# KiCad board rosco_m68k_keyboard-2.kicad_pcb
title: rosco_m68k Project Box (keyboard); date: 2024-03-09; rev: 2.10; company: The Really Old-School Company Limited; note: Copyright 2023 The Really Old-School Company Limited; note: Closed Source; Not For Release; note: Design: roscopeco
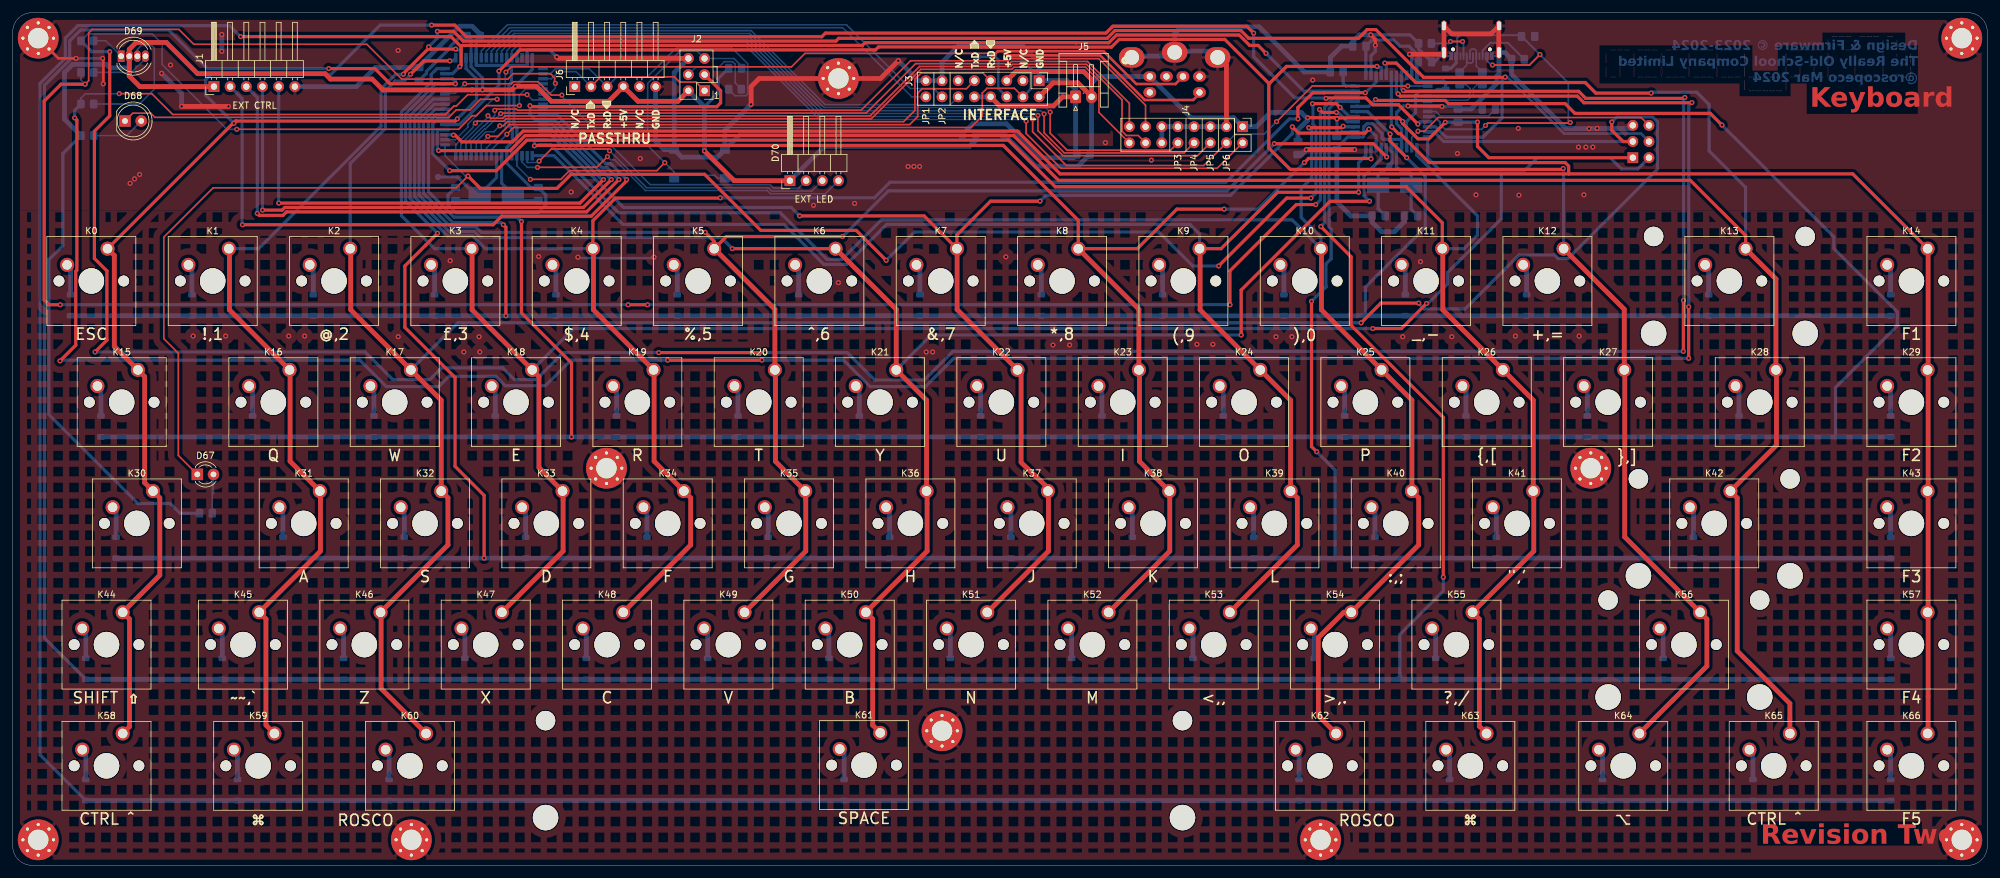
[diagram p0: board, top side]
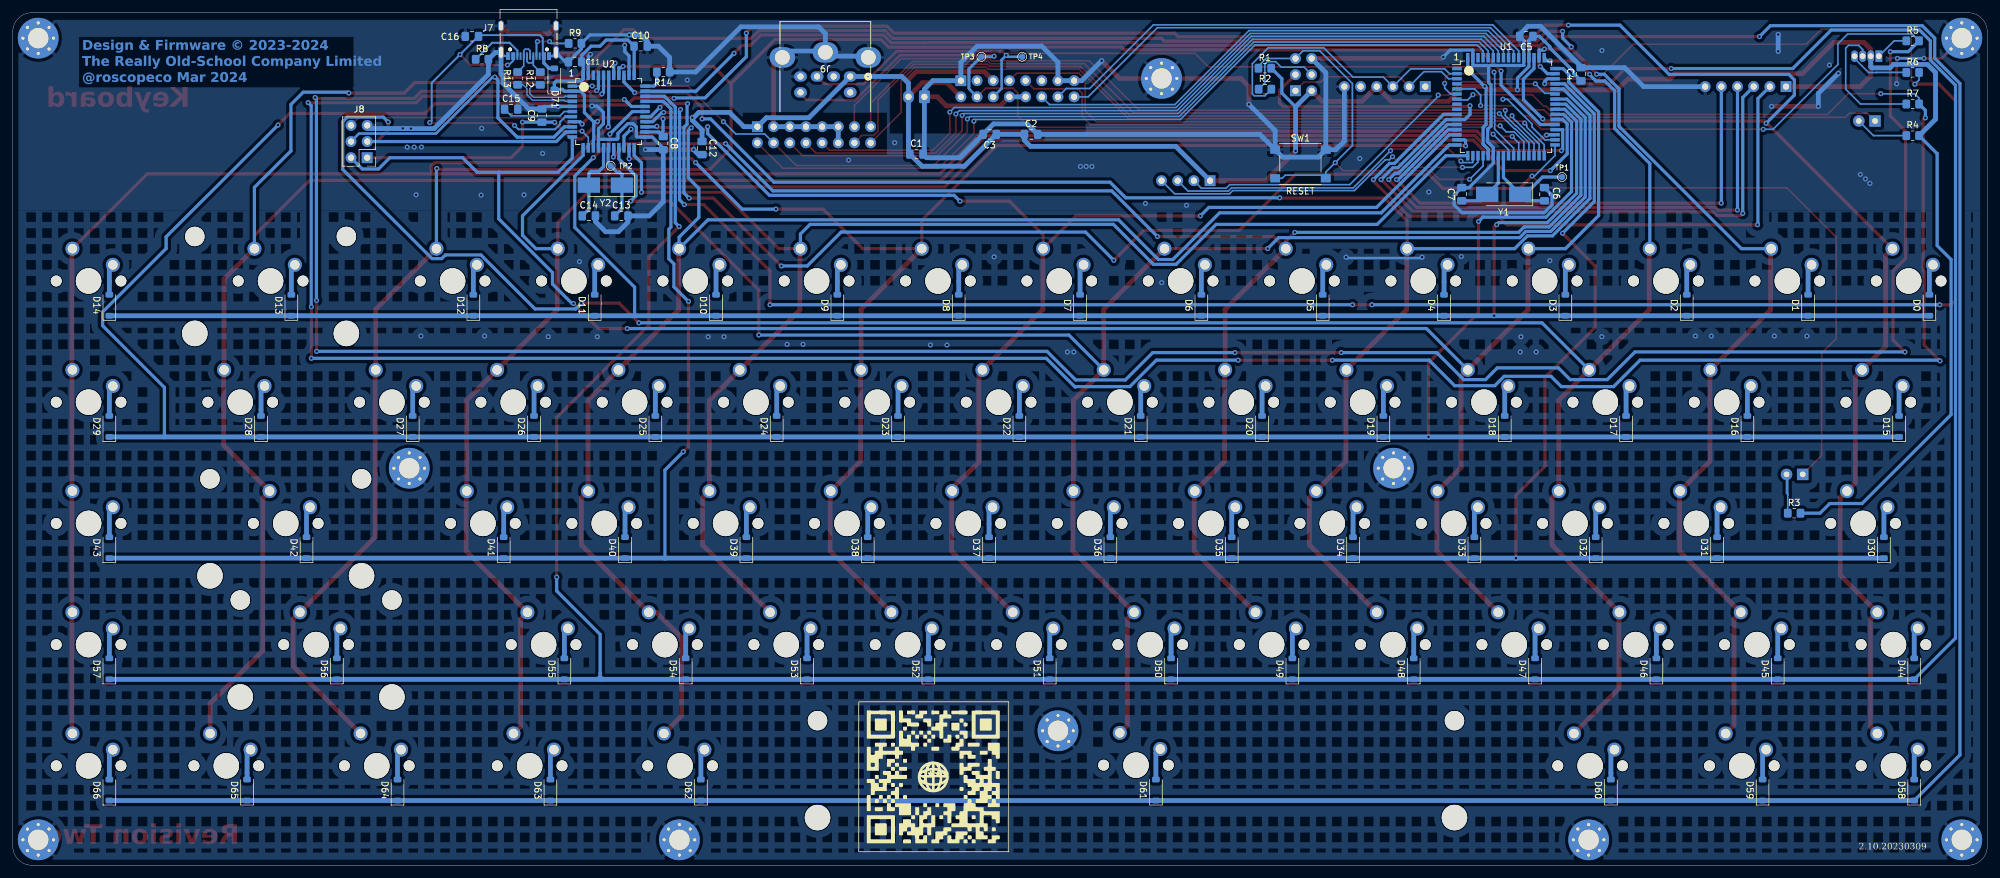
[diagram p1: board, bottom side, seen from below]

Outline 310 x 134 mm; copper layers: Top, Bottom. Coordinates in mm from the lower left corner of the outline.
Outline path: 0,131 arc(0.88,133.12) 3,134 307,134 arc(309.12,133.12) 310,131 310,3 arc(309.12,0.88) 307,0 3,0 arc(0.88,0.88) 0,3 0,131

## Placement (name value [footprint] x y rotation side)
C1  0.1u  [C_0805_2012Metric_Pad1.18x1.45mm_HandSolder]  168.12 111.78 180 bottom
C2  0.1u  [C_0805_2012Metric_Pad1.18x1.45mm_HandSolder]  150.12 114.88 180 bottom
C3  0.1u  [C_0805_2012Metric_Pad1.18x1.45mm_HandSolder]  156.62 114.88 0 bottom
C4  0.1u  [C_0805_2012Metric_Pad1.18x1.45mm_HandSolder]  63.78 124.34 90 bottom
C5  4.7u  [C_0805_2012Metric_Pad1.18x1.45mm_HandSolder]  72.38 130.29 0 bottom
C6  22p  [C_0805_2012Metric_Pad1.18x1.45mm_HandSolder]  69.51 105.48 90 bottom
C7  22p  [C_0805_2012Metric_Pad1.18x1.45mm_HandSolder]  82.51 105.48 90 bottom
C8  0.1u  [C_0805_2012Metric_Pad1.18x1.45mm_HandSolder]  207.87 113.5 270 bottom
C9  0.1u  [C_0805_2012Metric_Pad1.18x1.45mm_HandSolder]  226.92 117.84 90 bottom
C10  0.1u  [C_0805_2012Metric_Pad1.18x1.45mm_HandSolder]  211.43 128.74 180 bottom
C11  0.1u  [C_0805_2012Metric_Pad1.18x1.45mm_HandSolder]  221.72 126.28 0 bottom
C12  4.7u  [C_0805_2012Metric_Pad1.18x1.45mm_HandSolder]  201.77 112.74 270 bottom
C13  22p  [C_0805_2012Metric_Pad1.18x1.45mm_HandSolder]  214.45 102.07 180 bottom
C14  22p  [C_0805_2012Metric_Pad1.18x1.45mm_HandSolder]  219.55 102.07 180 bottom
C15  1u  [C_0805_2012Metric_Pad1.18x1.45mm_HandSolder]  231.75 118.83 180 bottom
C16  10u  [C_0805_2012Metric_Pad1.18x1.45mm_HandSolder]  237.91 130.28 0 bottom
D0  1N4148W  [D_SOD-123]  9.08 88.02 90 bottom
D1  1N4148W  [D_SOD-123]  28.13 88.02 90 bottom
D2  1N4148W  [D_SOD-123]  47.18 88.02 90 bottom
D3  1N4148W  [D_SOD-123]  66.23 88.02 90 bottom
D4  1N4148W  [D_SOD-123]  85.28 88.02 90 bottom
D5  1N4148W  [D_SOD-123]  104.33 88.02 90 bottom
D6  1N4148W  [D_SOD-123]  123.38 88.02 90 bottom
D7  1N4148W  [D_SOD-123]  142.43 88.02 90 bottom
D8  1N4148W  [D_SOD-123]  161.48 88.02 90 bottom
D9  1N4148W  [D_SOD-123]  180.53 88.02 90 bottom
D10  1N4148W  [D_SOD-123]  199.58 88.02 90 bottom
D11  1N4148W  [D_SOD-123]  218.63 88.02 90 bottom
D12  1N4148W  [D_SOD-123]  237.68 88.02 90 bottom
D13  1N4148W  [D_SOD-123]  266.26 88.02 90 bottom
D14  1N4148W  [D_SOD-123]  294.83 88.02 90 bottom
D15  1N4148W  [D_SOD-123]  13.85 68.97 90 bottom
D16  1N4148W  [D_SOD-123]  37.66 68.97 90 bottom
D17  1N4148W  [D_SOD-123]  56.71 68.97 90 bottom
D18  1N4148W  [D_SOD-123]  75.76 68.97 90 bottom
D19  1N4148W  [D_SOD-123]  94.81 68.97 90 bottom
D20  1N4148W  [D_SOD-123]  113.86 68.97 90 bottom
D21  1N4148W  [D_SOD-123]  132.91 68.97 90 bottom
D22  1N4148W  [D_SOD-123]  151.96 68.97 90 bottom
D23  1N4148W  [D_SOD-123]  171.01 68.97 90 bottom
D24  1N4148W  [D_SOD-123]  190.06 68.97 90 bottom
D25  1N4148W  [D_SOD-123]  209.11 68.97 90 bottom
D26  1N4148W  [D_SOD-123]  228.16 68.97 90 bottom
D27  1N4148W  [D_SOD-123]  247.21 68.97 90 bottom
D28  1N4148W  [D_SOD-123]  271.02 68.97 90 bottom
D29  1N4148W  [D_SOD-123]  294.83 68.97 90 bottom
D30  1N4148W  [D_SOD-123]  16.23 49.92 90 bottom
D31  1N4148W  [D_SOD-123]  42.42 49.92 90 bottom
D32  1N4148W  [D_SOD-123]  61.47 49.92 90 bottom
D33  1N4148W  [D_SOD-123]  80.52 49.92 90 bottom
D34  1N4148W  [D_SOD-123]  99.57 49.92 90 bottom
D35  1N4148W  [D_SOD-123]  118.62 49.92 90 bottom
D36  1N4148W  [D_SOD-123]  137.67 49.92 90 bottom
D37  1N4148W  [D_SOD-123]  156.72 49.92 90 bottom
D38  1N4148W  [D_SOD-123]  175.77 49.92 90 bottom
D39  1N4148W  [D_SOD-123]  194.82 49.92 90 bottom
D40  1N4148W  [D_SOD-123]  213.87 49.92 90 bottom
D41  1N4148W  [D_SOD-123]  232.92 49.92 90 bottom
D42  1N4148W  [D_SOD-123]  263.88 49.92 90 bottom
D43  1N4148W  [D_SOD-123]  294.83 49.92 90 bottom
D44  1N4148W  [D_SOD-123]  11.46 30.87 90 bottom
D45  1N4148W  [D_SOD-123]  32.9 30.87 90 bottom
D46  1N4148W  [D_SOD-123]  51.95 30.87 90 bottom
D47  1N4148W  [D_SOD-123]  71 30.87 90 bottom
D48  1N4148W  [D_SOD-123]  90.05 30.87 90 bottom
D49  1N4148W  [D_SOD-123]  109.1 30.87 90 bottom
D50  1N4148W  [D_SOD-123]  128.15 30.87 90 bottom
D51  1N4148W  [D_SOD-123]  147.2 30.87 90 bottom
D52  1N4148W  [D_SOD-123]  166.25 30.87 90 bottom
D53  1N4148W  [D_SOD-123]  185.3 30.87 90 bottom
D54  1N4148W  [D_SOD-123]  204.35 30.87 90 bottom
D55  1N4148W  [D_SOD-123]  223.4 30.87 90 bottom
D56  1N4148W  [D_SOD-123]  259.11 30.87 90 bottom
D57  1N4148W  [D_SOD-123]  294.83 30.87 90 bottom
D58  1N4148W  [D_SOD-123]  11.46 11.82 90 bottom
D59  1N4148W  [D_SOD-123]  35.28 11.82 90 bottom
D60  1N4148W  [D_SOD-123]  59.09 11.82 90 bottom
D61  1N4148W  [D_SOD-123]  130.53 11.82 90 bottom
D62  1N4148W  [D_SOD-123]  201.96 11.82 90 bottom
D63  1N4148W  [D_SOD-123]  225.59 11.82 90 bottom
D64  1N4148W  [D_SOD-123]  249.59 11.82 90 bottom
D65  1N4148W  [D_SOD-123]  273.21 11.82 90 bottom
D66  1N4148W  [D_SOD-123]  294.83 11.82 90 bottom
D67  CAPSLOCK  [LED_D3.0mm]  28.98 61.44 0 top
D68  DISK  [LED_D5.0mm]  17.62 116.99 0 top
D69  POWER  [LED_D5.0mm-4_RGB]  17.02 127.17 0 top
D70  EXT_LED  [PinHeader_1x04_P2.54mm_Horizontal]  122.02 107.6 90 top
D71  BAT760-7  [D_SOD-123]  224.97 123.6 90 bottom
G***  LOGO  [rosco-m68k.com-qr-code]  165.48 13.89 180 bottom
H1  MountingHole  [MountingHole_3.2mm_M3_Pad_Via]  4 130 0 top
H2  MountingHole  [MountingHole_3.2mm_M3_Pad_Via]  306 130 0 top
H3  MountingHole  [MountingHole_3.2mm_M3_Pad_Via]  306 4 0 top
H4  MountingHole  [MountingHole_3.2mm_M3_Pad_Via]  4 4 0 top
H5  MountingHole  [MountingHole_3.2mm_M3_Pad_Via]  129.64 123.67 0 top
H6  MountingHole  [MountingHole_3.2mm_M3_Pad_Via]  145.9 21.14 0 top
H7  MountingHole  [MountingHole_3.2mm_M3_Pad_Via]  62.59 4 0 top
H8  MountingHole  [MountingHole_3.2mm_M3_Pad_Via]  205.33 4 0 top
H9  MountingHole  [MountingHole_3.2mm_M3_Pad_Via]  247.75 62.41 0 top
H10  MountingHole  [MountingHole_3.2mm_M3_Pad_Via]  93.21 62.41 0 top
J1  Conn_01x04_Pin  [PinHeader_1x06_P2.54mm_Horizontal]  31.59 122.39 90 top
J2  Conn_02x03_Odd_Even  [PinHeader_2x03_P2.54mm_Vertical]  108.62 121.73 180 top
J3  Conn_02x08_Odd_Even  [PinHeader_2x08_P2.54mm_Vertical]  161.14 123.32 270 top
J4  Conn_02x08_Odd_Even  [PinHeader_2x08_P2.54mm_Vertical]  193.09 116.09 270 top
J5  Conn_02x02_Odd_Even  [JST_EH_S2B-EH_1x02_P2.50mm_Horizontal]  166.87 120.78 0 top
J6  Conn_01x04_Pin  [PinHeader_1x06_P2.54mm_Horizontal]  88.24 122.39 90 top
J7  USB_C  [USB_C_Receptacle_Palconn_UTC16-G]  229.02 129.69 0 bottom
J8  Conn_02x03_Odd_Even  [PinHeader_2x03_P2.54mm_Vertical]  254.35 111.21 0 bottom
J9  DIN-6  [KMDGX-6S-BS]  181.12 123.98 180 bottom
K0  ESC  [SW_Cherry_MX_1.00u_PCB]  14.88 96.91 0 top
K1  !,1  [SW_Cherry_MX_1.00u_PCB]  33.93 96.91 0 top
K2  @,2  [SW_Cherry_MX_1.00u_PCB]  52.98 96.91 0 top
K3  £,3  [SW_Cherry_MX_1.00u_PCB]  72.03 96.91 0 top
K4  $,4  [SW_Cherry_MX_1.00u_PCB]  91.08 96.91 0 top
K5  %,5  [SW_Cherry_MX_1.00u_PCB]  110.13 96.91 0 top
K6  ^,6  [SW_Cherry_MX_1.00u_PCB]  129.18 96.91 0 top
K7  &,7  [SW_Cherry_MX_1.00u_PCB]  148.23 96.91 0 top
K8  *,8  [SW_Cherry_MX_1.00u_PCB]  167.28 96.91 0 top
K9  (,9  [SW_Cherry_MX_1.00u_PCB]  186.33 96.91 0 top
K10  ),0  [SW_Cherry_MX_1.00u_PCB]  205.38 96.91 0 top
K11  _,-  [SW_Cherry_MX_1.00u_PCB]  224.43 96.91 0 top
K12  +,=  [SW_Cherry_MX_1.00u_PCB]  243.48 96.91 0 top
K13  BACKSPACE ⌫  [SW_Cherry_MX_2.00u_PCB]  272.06 96.91 0 top
K14  F1  [SW_Cherry_MX_1.00u_PCB]  300.63 96.91 0 top
K15  TAB ⇥  [SW_Cherry_MX_1.25u_PCB]  19.65 77.86 0 top
K16  Q  [SW_Cherry_MX_1.00u_PCB]  43.46 77.86 0 top
K17  W  [SW_Cherry_MX_1.00u_PCB]  62.51 77.86 0 top
K18  E  [SW_Cherry_MX_1.00u_PCB]  81.56 77.86 0 top
K19  R  [SW_Cherry_MX_1.00u_PCB]  100.61 77.86 0 top
K20  T  [SW_Cherry_MX_1.00u_PCB]  119.66 77.86 0 top
K21  Y  [SW_Cherry_MX_1.00u_PCB]  138.71 77.86 0 top
K22  U  [SW_Cherry_MX_1.00u_PCB]  157.76 77.86 0 top
K23  I  [SW_Cherry_MX_1.00u_PCB]  176.81 77.86 0 top
K24  O  [SW_Cherry_MX_1.00u_PCB]  195.86 77.86 0 top
K25  P  [SW_Cherry_MX_1.00u_PCB]  214.91 77.86 0 top
K26  {,[  [SW_Cherry_MX_1.00u_PCB]  233.96 77.86 0 top
K27  },]  [SW_Cherry_MX_1.00u_PCB]  253.01 77.86 0 top
K28  |,\  [SW_Cherry_MX_1.25u_PCB]  276.82 77.86 0 top
K29  F2  [SW_Cherry_MX_1.00u_PCB]  300.63 77.86 0 top
K30  CAPSLOCK  [SW_Cherry_MX_1.50u_PCB]  22.03 58.81 0 top
K31  A  [SW_Cherry_MX_1.00u_PCB]  48.22 58.81 0 top
K32  S  [SW_Cherry_MX_1.00u_PCB]  67.27 58.81 0 top
K33  D  [SW_Cherry_MX_1.00u_PCB]  86.32 58.81 0 top
K34  F  [SW_Cherry_MX_1.00u_PCB]  105.37 58.81 0 top
K35  G  [SW_Cherry_MX_1.00u_PCB]  124.42 58.81 0 top
K36  H  [SW_Cherry_MX_1.00u_PCB]  143.47 58.81 0 top
K37  J  [SW_Cherry_MX_1.00u_PCB]  162.52 58.81 0 top
K38  K  [SW_Cherry_MX_1.00u_PCB]  181.57 58.81 0 top
K39  L  [SW_Cherry_MX_1.00u_PCB]  200.62 58.81 0 top
K40  :,;  [SW_Cherry_MX_1.00u_PCB]  219.67 58.81 0 top
K41  ",'  [SW_Cherry_MX_1.00u_PCB]  238.72 58.81 0 top
K42  ⏎  [SW_Cherry_MX_2.25u_PCB]  269.68 58.81 0 top
K43  F3  [SW_Cherry_MX_1.00u_PCB]  300.63 58.81 0 top
K44  SHIFT ⇧  [SW_Cherry_MX_1.25u_PCB]  17.26 39.76 0 top
K45  ~~,`  [SW_Cherry_MX_1.00u_PCB]  38.7 39.76 0 top
K46  Z  [SW_Cherry_MX_1.00u_PCB]  57.75 39.76 0 top
K47  X  [SW_Cherry_MX_1.00u_PCB]  76.8 39.76 0 top
K48  C  [SW_Cherry_MX_1.00u_PCB]  95.85 39.76 0 top
K49  V  [SW_Cherry_MX_1.00u_PCB]  114.9 39.76 0 top
K50  B  [SW_Cherry_MX_1.00u_PCB]  133.95 39.76 0 top
K51  N  [SW_Cherry_MX_1.00u_PCB]  153 39.76 0 top
K52  M  [SW_Cherry_MX_1.00u_PCB]  172.05 39.76 0 top
K53  <,,  [SW_Cherry_MX_1.00u_PCB]  191.1 39.76 0 top
K54  >,.  [SW_Cherry_MX_1.00u_PCB]  210.15 39.76 0 top
K55  ?,/  [SW_Cherry_MX_1.00u_PCB]  229.2 39.76 0 top
K56  SHIFT ⇧  [SW_Cherry_MX_2.25u_PCB]  264.91 39.76 0 top
K57  F4  [SW_Cherry_MX_1.00u_PCB]  300.63 39.76 0 top
K58  CTRL ^  [SW_Cherry_MX_1.25u_PCB]  17.26 20.71 0 top
K59  ⌘  [SW_Cherry_MX_1.25u_PCB]  41.08 20.71 0 top
K60  ROSCO  [SW_Cherry_MX_1.25u_PCB]  64.89 20.71 0 top
K61  SPACE  [SW_Cherry_MX_6.25u_PCB]  136.19 20.82 0 top
K62  ROSCO  [SW_Cherry_MX_1.25u_PCB]  207.76 20.71 0 top
K63  ⌘  [SW_Cherry_MX_1.25u_PCB]  231.39 20.71 0 top
K64  ⌥  [SW_Cherry_MX_1.25u_PCB]  255.39 20.71 0 top
K65  CTRL ^  [SW_Cherry_MX_1.25u_PCB]  279.01 20.71 0 top
K66  F5  [SW_Cherry_MX_1.00u_PCB]  300.63 20.71 0 top
R1  10k  [R_0805_2012Metric_Pad1.20x1.40mm_HandSolder]  113.42 125.28 180 bottom
R2  1K  [R_0805_2012Metric_Pad1.20x1.40mm_HandSolder]  113.4 121.98 180 bottom
R3  1k  [R_0805_2012Metric_Pad1.20x1.40mm_HandSolder]  30.32 55.33 180 bottom
R4  1k  [R_0805_2012Metric_Pad1.20x1.40mm_HandSolder]  11.7 114.69 180 bottom
R5  680R  [R_0805_2012Metric_Pad1.20x1.40mm_HandSolder]  11.7 129.58 180 bottom
R6  2K2  [R_0805_2012Metric_Pad1.20x1.40mm_HandSolder]  11.7 124.62 180 bottom
R7  2K7  [R_0805_2012Metric_Pad1.20x1.40mm_HandSolder]  11.7 119.65 180 bottom
R8  5.1K  [R_0805_2012Metric_Pad1.20x1.40mm_HandSolder]  236.32 126.68 180 bottom
R9  5.1K  [R_0805_2012Metric_Pad1.20x1.40mm_HandSolder]  221.72 129.18 180 bottom
R12  22R  [R_0805_2012Metric_Pad1.20x1.40mm_HandSolder]  227.17 123.66 90 bottom
R13  22R  [R_0805_2012Metric_Pad1.20x1.40mm_HandSolder]  230.73 123.68 90 bottom
R14  10k  [R_0805_2012Metric_Pad1.20x1.40mm_HandSolder]  207.87 124.68 0 bottom
REF**  -  [MD-rosco_m68k_logo]  275.1 123.02 0 top
SW1  Reset_SW  [SW_Push_1P1T_NO_6x6mm_H9.5mm]  107.83 110.23 180 bottom
TP1  TestPoint  [TestPoint_Pad_D1.0mm]  66.77 108.18 180 bottom
TP2  TestPoint  [TestPoint_Pad_D1.0mm]  216.12 109.93 180 bottom
TP3  TestPoint  [TestPoint_Pad_D1.0mm]  157.92 127.08 180 bottom
TP4  TestPoint  [TestPoint_Pad_D1.0mm]  151.52 127.08 180 bottom
U1  ATmega64A-A  [TQFP-64_14x14mm_P0.8mm]  75.56 119.22 180 bottom
U2  ATmega32U4-AU  [TQFP-44_10x10mm_P0.8mm]  216.44 118.47 180 bottom
Y1  Crystal  [Crystal_SMD_5032-2Pin_5.0x3.2mm_HandSoldering]  75.91 105.45 0 bottom
Y2  Crystal  [Crystal_SMD_5032-2Pin_5.0x3.2mm_HandSoldering]  216.95 106.9 0 bottom

## Library data of the parts
C1-C16 = -: Description: Unpolarized capacitor
D0-D66 = -: Description: Diode; Sim.Device: D; Sim.Pins: 1=K 2=A
D67 D68 = -: Description: Light emitting diode
D69 = -: Description: RGB LED, red/anode/blue/green
D70 = -: Description: RGB LED, anode/red/green/blue
D71 = -: Description: 20V 3A Schottky Barrier Rectifier Diode, DO-201AD
H1-H10 = -: Description: Mounting Hole with connection
J1 J6 = -: Description: Generic connector, single row, 01x06, script generated
J2 J8 = -: Description: Generic connector, double row, 02x03, odd/even pin numbering scheme (row 1 odd numbers, row 2 even numbers), script generated (kicad-library-utils/schlib/autogen/connector/)
J3 J4 = -: Description: Generic connector, double row, 02x08, odd/even pin numbering scheme (row 1 odd numbers, row 2 even numbers), script generated (kicad-library-utils/schlib/autogen/connector/)
J5 = -: Description: Generic connector, single row, 01x02, script generated (kicad-library-utils/schlib/autogen/connector/)
J7 = -: Description: USB 2.0-only Type-C Receptacle connector; LCSC: C136423
J9 = -: Description: 6-pin DIN connector; Field5: 806-KMDGX-6S-BS; Field6: KMDGX-6S-BS
K0-K66 SW1 = -: Description: Push button switch, generic, two pins
R1-R9 R12-R14 = -: Description: Resistor
TP1-TP4 = -: Description: test point
U1 = -: Description: 16MHz, 64kB Flash, 4kB SRAM, 2kB EEPROM, TQFP-64
U2 = -: Description: 16MHz, 32kB Flash, 2.5kB SRAM, 1kB EEPROM, USB 2.0, TQFP-44
Y1 Y2 = -: Description: Two pin crystal

## Footprints (pads in the part's own frame, mm; a bottom-side part is the same pattern mirrored in y, then rotated)
C_0805_2012Metric_Pad1.18x1.45mm_HandSolder
  rrect 1.175x1.45 smd: 1(-1.038,0) 2(1.038,0)
Crystal_SMD_5032-2Pin_5.0x3.2mm_HandSoldering
  rect 3.5x2.4 smd: 1(-2.6,0) 2(2.6,0)
D_SOD-123
  rrect 0.9x1.2 smd: 1(-1.65,0) 2(1.65,0)
JST_EH_S2B-EH_1x02_P2.50mm_Horizontal
  rrect 1.7x2 hole 1: 1(0,0)
  oval 1.7x2 hole 1: 2(2.5,0)
KMDGX-6S-BS
  oval 2x1.6 hole 1: 1(-2.6,0) 2(0,0) 3(-5.2,0) 4(2.6,0) 5(-5.2,-2.5) 6(2.6,-2.5)
  oval 4x3.2 hole 2.311: 3(-8.05,3) 3(-1.3,3.8) 3(5.45,3)
LED_D3.0mm
  rect 1.8x1.8 hole 0.9: 1(0,0)
  round 1.8 hole 0.9: 2(2.54,0)
LED_D5.0mm
  rect 1.8x1.8 hole 0.9: 1(0,0)
  round 1.8 hole 0.9: 2(2.54,0)
LED_D5.0mm-4_RGB
  rect 1.07x1.8 hole 0.9: 1(0,0)
  oval 1.07x1.8 hole 0.9: 2(1.27,0) 3(2.54,0) 4(3.81,0)
MountingHole_3.2mm_M3_Pad_Via
  round 0.8 hole 0.5: 1(-2.4,0) 1(-1.697,1.697) 1(-1.697,-1.697) 1(0,2.4) 1(0,-2.4) 1(1.697,1.697) 1(1.697,-1.697) 1(2.4,0)
  round 6.4 hole 3.2: 1(0,0)
PinHeader_1x04_P2.54mm_Horizontal
  rect 1.7x1.7 hole 1: 1(0,0)
  oval 1.7x1.7 hole 1: 2(0,-2.54) 3(0,-5.08) 4(0,-7.62)
PinHeader_1x06_P2.54mm_Horizontal
  rect 1.7x1.7 hole 1: 1(0,0)
  oval 1.7x1.7 hole 1: 2(0,-2.54) 3(0,-5.08) 4(0,-7.62) 5(0,-10.16) 6(0,-12.7)
PinHeader_2x03_P2.54mm_Vertical
  rect 1.7x1.7 hole 1: 1(0,0)
  oval 1.7x1.7 hole 1: 2(2.54,0) 3(0,-2.54) 4(2.54,-2.54) 5(0,-5.08) 6(2.54,-5.08)
PinHeader_2x08_P2.54mm_Vertical
  rect 1.7x1.7 hole 1: 1(0,0)
  oval 1.7x1.7 hole 1: 2(2.54,0) 3(0,-2.54) 4(2.54,-2.54) 5(0,-5.08) 6(2.54,-5.08) 7(0,-7.62) 8(2.54,-7.62) 9(0,-10.16) 10(2.54,-10.16) 11(0,-12.7) 12(2.54,-12.7) 13(0,-15.24) 14(2.54,-15.24) 15(0,-17.78) 16(2.54,-17.78)
R_0805_2012Metric_Pad1.20x1.40mm_HandSolder
  rrect 1.2x1.4 smd: 1(-1,0) 2(1,0)
SW_Cherry_MX_1.00u_PCB
  round 1.7 hole 1.7 unplated: (-7.62,-5.08) (2.54,-5.08)
  round 4 hole 4 unplated: (-2.54,-5.08)
  round 2.2 hole 1.5: 1(0,0) 2(-6.35,-2.54)
SW_Cherry_MX_1.25u_PCB
  round 1.7 hole 1.7 unplated: (-7.62,-5.08) (2.54,-5.08)
  round 4 hole 4 unplated: (-2.54,-5.08)
  round 2.2 hole 1.5: 1(0,0) 2(-6.35,-2.54)
SW_Cherry_MX_1.50u_PCB
  round 1.7 hole 1.7 unplated: (-7.62,-5.08) (2.54,-5.08)
  round 4 hole 4 unplated: (-2.54,-5.08)
  round 2.2 hole 1.5: 1(0,0) 2(-6.35,-2.54)
SW_Cherry_MX_2.00u_PCB
  round 3.05 hole 3.05 unplated: (-14.44,1.92) (9.36,1.92)
  round 4 hole 4 unplated: (-14.44,-13.32) (-2.54,-5.08) (9.36,-13.32)
  round 1.7 hole 1.7 unplated: (-7.62,-5.08) (2.54,-5.08)
  round 2.2 hole 1.5: 1(0,0) 2(-6.35,-2.54)
SW_Cherry_MX_2.25u_PCB
  round 3.05 hole 3.05 unplated: (-14.44,1.92) (9.36,1.92)
  round 4 hole 4 unplated: (-14.44,-13.32) (-2.54,-5.08) (9.36,-13.32)
  round 1.7 hole 1.7 unplated: (-7.62,-5.08) (2.54,-5.08)
  round 2.2 hole 1.5: 1(0,0) 2(-6.35,-2.54)
SW_Cherry_MX_6.25u_PCB
  round 3.05 hole 3.05 unplated: (-52.54,1.92) (47.46,1.92)
  round 4 hole 4 unplated: (-52.54,-13.32) (-2.54,-5.08) (47.46,-13.32)
  round 1.7 hole 1.7 unplated: (-7.62,-5.08) (2.54,-5.08)
  round 2.2 hole 1.5: 1(0,0) 2(-6.35,-2.54)
SW_Push_1P1T_NO_6x6mm_H9.5mm
  rect 1.55x1.3 smd: 1(-3.975,2.25) 1(3.975,2.25) 2(-3.975,-2.25) 2(3.975,-2.25)
TestPoint_Pad_D1.0mm
  round 1 smd: 1(0,0)
TQFP-44_10x10mm_P0.8mm
  rect 1.5x0.55 smd: 1(-5.7,4) 2(-5.7,3.2) 3(-5.7,2.4) 4(-5.7,1.6) 5(-5.7,0.8) 6(-5.7,0) 7(-5.7,-0.8) 8(-5.7,-1.6) 9(-5.7,-2.4) 10(-5.7,-3.2) 11(-5.7,-4) 23(5.7,-4) 24(5.7,-3.2) 25(5.7,-2.4) 26(5.7,-1.6) 27(5.7,-0.8) 28(5.7,0) 29(5.7,0.8) 30(5.7,1.6) 31(5.7,2.4) 32(5.7,3.2) 33(5.7,4)
  rect 0.55x1.5 smd: 12(-4,-5.7) 13(-3.2,-5.7) 14(-2.4,-5.7) 15(-1.6,-5.7) 16(-0.8,-5.7) 17(0,-5.7) 18(0.8,-5.7) 19(1.6,-5.7) 20(2.4,-5.7) 21(3.2,-5.7) 22(4,-5.7) 34(4,5.7) 35(3.2,5.7) 36(2.4,5.7) 37(1.6,5.7) 38(0.8,5.7) 39(0,5.7) 40(-0.8,5.7) 41(-1.6,5.7) 42(-2.4,5.7) 43(-3.2,5.7) 44(-4,5.7)
TQFP-64_14x14mm_P0.8mm
  rect 1.5x0.55 smd: 1(-7.7,6) 2(-7.7,5.2) 3(-7.7,4.4) 4(-7.7,3.6) 5(-7.7,2.8) 6(-7.7,2) 7(-7.7,1.2) 8(-7.7,0.4) 9(-7.7,-0.4) 10(-7.7,-1.2) 11(-7.7,-2) 12(-7.7,-2.8) 13(-7.7,-3.6) 14(-7.7,-4.4) 15(-7.7,-5.2) 16(-7.7,-6) 33(7.7,-6) 34(7.7,-5.2) 35(7.7,-4.4) 36(7.7,-3.6) 37(7.7,-2.8) 38(7.7,-2) 39(7.7,-1.2) 40(7.7,-0.4) 41(7.7,0.4) 42(7.7,1.2) 43(7.7,2) 44(7.7,2.8) 45(7.7,3.6) 46(7.7,4.4) 47(7.7,5.2) 48(7.7,6)
  rect 0.55x1.5 smd: 17(-6,-7.7) 18(-5.2,-7.7) 19(-4.4,-7.7) 20(-3.6,-7.7) 21(-2.8,-7.7) 22(-2,-7.7) 23(-1.2,-7.7) 24(-0.4,-7.7) 25(0.4,-7.7) 26(1.2,-7.7) 27(2,-7.7) 28(2.8,-7.7) 29(3.6,-7.7) 30(4.4,-7.7) 31(5.2,-7.7) 32(6,-7.7) 49(6,7.7) 50(5.2,7.7) 51(4.4,7.7) 52(3.6,7.7) 53(2.8,7.7) 54(2,7.7) 55(1.2,7.7) 56(0.4,7.7) 57(-0.4,7.7) 58(-1.2,7.7) 59(-2,7.7) 60(-2.8,7.7) 61(-3.6,7.7) 62(-4.4,7.7) 63(-5.2,7.7) 64(-6,7.7)
USB_C_Receptacle_Palconn_UTC16-G
  round 0.6 hole 0.6 unplated: (-2.89,1.45) (2.89,1.45)
  rect 0.6x1.16 smd: A1(-3.2,2.51) A4(-2.4,2.51) A9(2.4,2.51) A12(3.2,2.51) B1(3.2,2.51) B4(2.4,2.51) B9(-2.4,2.51) B12(-3.2,2.51)
  rect 0.3x1.16 smd: A5(-1.25,2.51) A6(-0.25,2.51) A7(0.25,2.51) A8(1.25,2.51) B5(1.75,2.51) B6(0.75,2.51) B7(-0.75,2.51) B8(-1.75,2.51)
  oval 0.9x1.7 hole 0.6x1.4: S1(-4.32,-2.24) S1(4.32,-2.24)
  oval 0.9x2 hole 0.6x1.7: S1(-4.32,1.93) S1(4.32,1.93)

## Nets
/VBUS: C16.1 D71.2 J7.A4 J7.A9 J7.B4 J7.B9 U2.7
GND: C1.2 C2.2 C3.2 C4.2 C5.2 C6.2 C7.2 C8.2 C9.2 C10.2 C11.2 C12.2 C13.2 C14.2 C15.2 C16.2 H1.1 H2.1 H3.1 H4.1 H5.1 H6.1 H7.1 H8.1 H9.1 H10.1 J1.6 J2.6 J3.1 J3.8 J3.10 J3.13 J3.15 J4.3 J4.5 J4.7 J4.9 J4.11 J4.12 J5.1 J6.6 J7.A1 J7.A12 J7.B1 J7.B12 J7.S1 J8.5 J9.3 R8.2 R9.2 R14.1 SW1.1 U1.22 U1.53 U1.63 U2.5 U2.15 U2.23 U2.35 U2.43
VCC: C1.1 C2.1 C3.1 C4.1 C5.1 C8.1 C9.1 C10.1 C11.1 C12.1 D69.2 D70.1 D71.1 J1.1 J2.2 J3.2 J3.5 J4.1 J5.2 J6.4 J8.1 J9.4 R1.2 R3.2 R4.2 U1.21 U1.52 U1.64 U2.2 U2.14 U2.24 U2.34 U2.44
/32_XTAL1: C13.1 TP2.1 U2.17 Y2.1
/64_XTAL1: C6.1 TP1.1 U1.24 Y1.1
/AUX_D4: J4.15 U1.29
/AUX_D5: J4.13 U1.30
/AUX_D6: J4.14 U1.31
/AUX_D7: J4.16 U1.32
/AUX_F0: J4.2 U1.61
/AUX_F2: J4.6 U1.59
/AUX_F3: J4.8 U1.58
/AUX_F4: J4.10 U1.57
/AUX_F5: J3.12 U1.56
/Col_0: K0.1 K15.1 K30.1 K44.1 K58.1 U1.51 U2.8
/Col_1: J8.4 K1.1 K16.1 K31.1 K45.1 K59.1 U1.50 U2.9
/Col_2: J8.3 K2.1 K17.1 K32.1 K46.1 K60.1 U1.49 U2.10
/Col_3: J8.2 K3.1 K18.1 K33.1 K47.1 U1.48 U2.11
/Col_4: K4.1 K19.1 K34.1 K48.1 U1.44 U2.36
/Col_5: K5.1 K20.1 K35.1 K49.1 U1.41 U2.18
/Col_6: K6.1 K21.1 K36.1 K50.1 K61.1 U1.42 U2.19
/Col_7: K7.1 K22.1 K37.1 K51.1 U1.14 U2.20
/Col_8: K8.1 K23.1 K38.1 K52.1 U1.15 U2.21
/Col_9: K9.1 K24.1 K39.1 K53.1 U1.17 U2.22
/Col_10: K10.1 K25.1 K40.1 K54.1 K62.1 U1.16 U2.25
/Col_11: K11.1 K26.1 K41.1 K55.1 K63.1 U1.38 U2.12
/Col_12: K12.1 K27.1 K56.1 K64.1 U1.37 U2.37
/Col_13: K13.1 K28.1 K42.1 K65.1 U1.36 U2.38
/Col_14: K14.1 K29.1 K43.1 K57.1 K66.1 U1.35 U2.39
/LED0: R5.2 U1.5 U2.41
/LED1: R6.2 U1.6 U2.26
/LED2: R7.2 U1.7 U2.40
/LED3: D67.1 U1.33 U2.27
/LED4: D68.1 U1.34
/LED5: D70.2 U1.43
/LED6: D70.3 U1.18
/LED7: D70.4 U1.19
/MISO: J1.5 U1.13
/MOSI: J1.4 U1.12
/PT_RXD: J6.3 R2.2 U1.2
/PT_TXD: J2.1 J6.2 U1.3
/Reset: J2.5 R1.1 SW1.2 U1.20
/ResetB: J8.6 U2.13
/Row_0: D0.1 D1.1 D2.1 D3.1 D4.1 D5.1 D6.1 D7.1 D8.1 D9.1 D10.1 D11.1 D12.1 D13.1 D14.1 U1.40 U2.28
/Row_1: D15.1 D16.1 D17.1 D18.1 D19.1 D20.1 D21.1 D22.1 D23.1 D24.1 D25.1 D26.1 D27.1 D28.1 D29.1 U1.39 U2.29
/Row_2: D30.1 D31.1 D32.1 D33.1 D34.1 D35.1 D36.1 D37.1 D38.1 D39.1 D40.1 D41.1 D42.1 D43.1 U1.45 U2.30
/Row_3: D44.1 D45.1 D46.1 D47.1 D48.1 D49.1 D50.1 D51.1 D52.1 D53.1 D54.1 D55.1 D56.1 D57.1 U1.46 U2.31
/Row_4: D58.1 D59.1 D60.1 D61.1 D62.1 D63.1 D64.1 D65.1 D66.1 U1.47 U2.32
/RXD: J3.9 U1.27
/SCK: J1.3 J2.3 U1.11
/SCL: J3.4 J9.5 TP3.1 U1.25
/SDA: J3.6 J9.1 TP4.1 U1.26
/SS: J1.2 U1.10
/TXD: J3.7 U1.28
/U1_DISABLE: J4.4 U1.60 U2.1
/UART_MODE_JP_I: J3.14 U1.54
/UART_SPEED_JP_I: J3.16 U1.55
/USBD+: R13.1 U2.4
/USBD-: R12.1 U2.3
Net-(D0-A): D0.2 K0.2
Net-(D1-A): D1.2 K1.2
Net-(D2-A): D2.2 K2.2
Net-(D3-A): D3.2 K3.2
Net-(D4-A): D4.2 K4.2
Net-(D5-A): D5.2 K5.2
Net-(D6-A): D6.2 K6.2
Net-(D7-A): D7.2 K7.2
Net-(D8-A): D8.2 K8.2
Net-(D9-A): D9.2 K9.2
Net-(D10-A): D10.2 K10.2
Net-(D11-A): D11.2 K11.2
Net-(D12-A): D12.2 K12.2
Net-(D13-A): D13.2 K13.2
Net-(D14-A): D14.2 K14.2
Net-(D15-A): D15.2 K15.2
Net-(D16-A): D16.2 K16.2
Net-(D17-A): D17.2 K17.2
Net-(D18-A): D18.2 K18.2
Net-(D19-A): D19.2 K19.2
Net-(D20-A): D20.2 K20.2
Net-(D21-A): D21.2 K21.2
Net-(D22-A): D22.2 K22.2